# Altium PCB Main.PcbDoc (part 1 of 2)
Units mm, origin at the board's own origin, x right, y up, seen from the top; angles counter-clockwise.
Board outline 244.55 x 130.41 mm, 2 copper layers (Top Layer, Bottom Layer); 159 components, 129 nets, 561 pads, 145 vias.
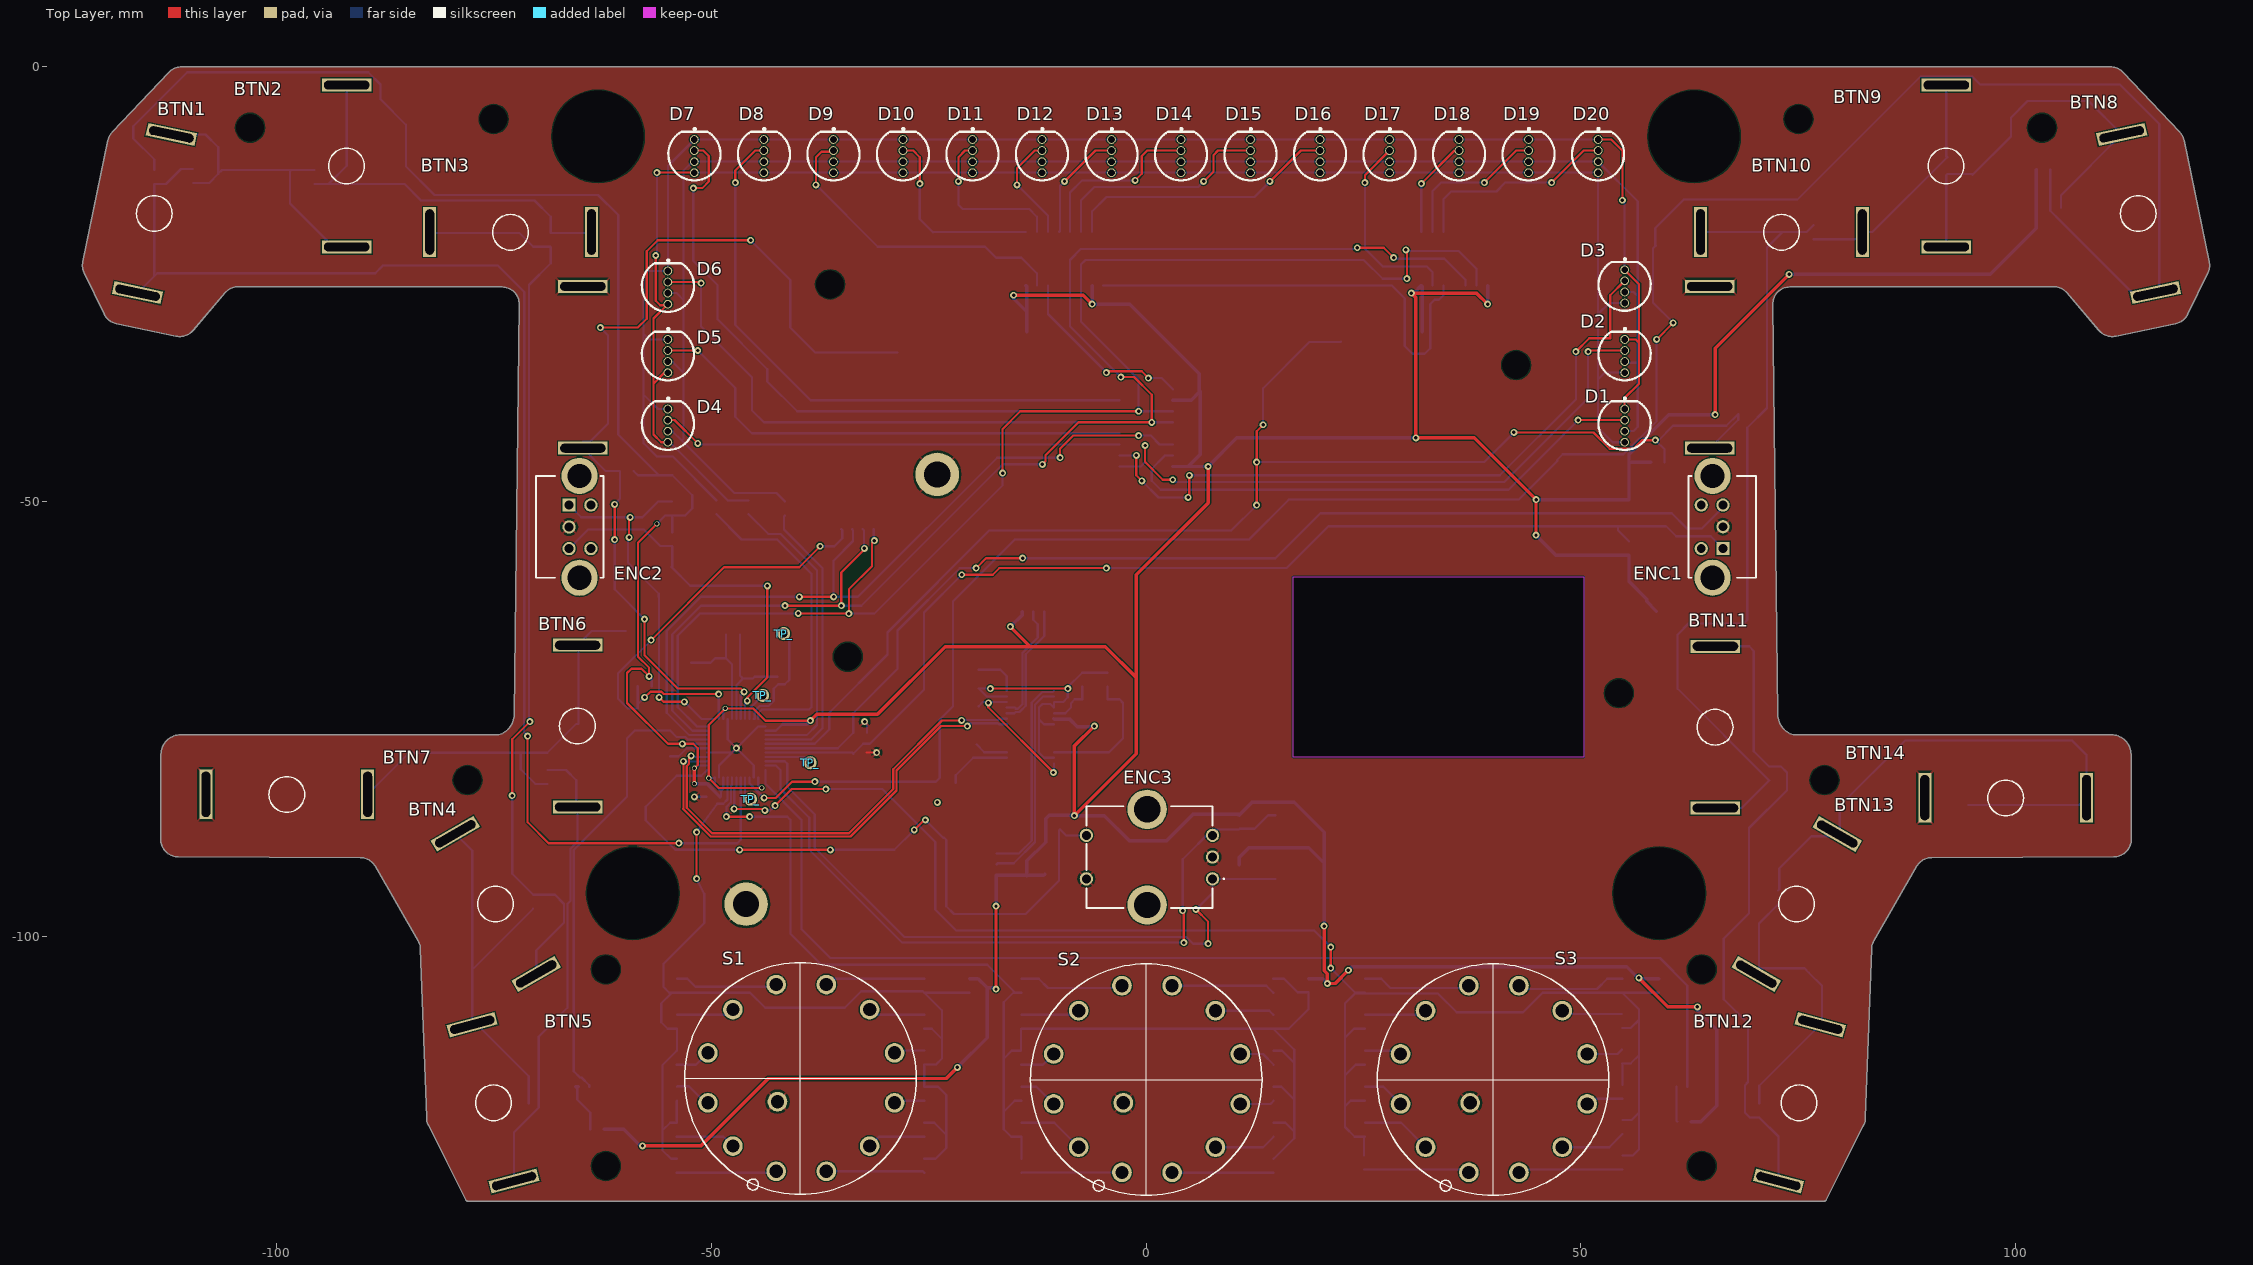
[diagram p0: Top Layer view]
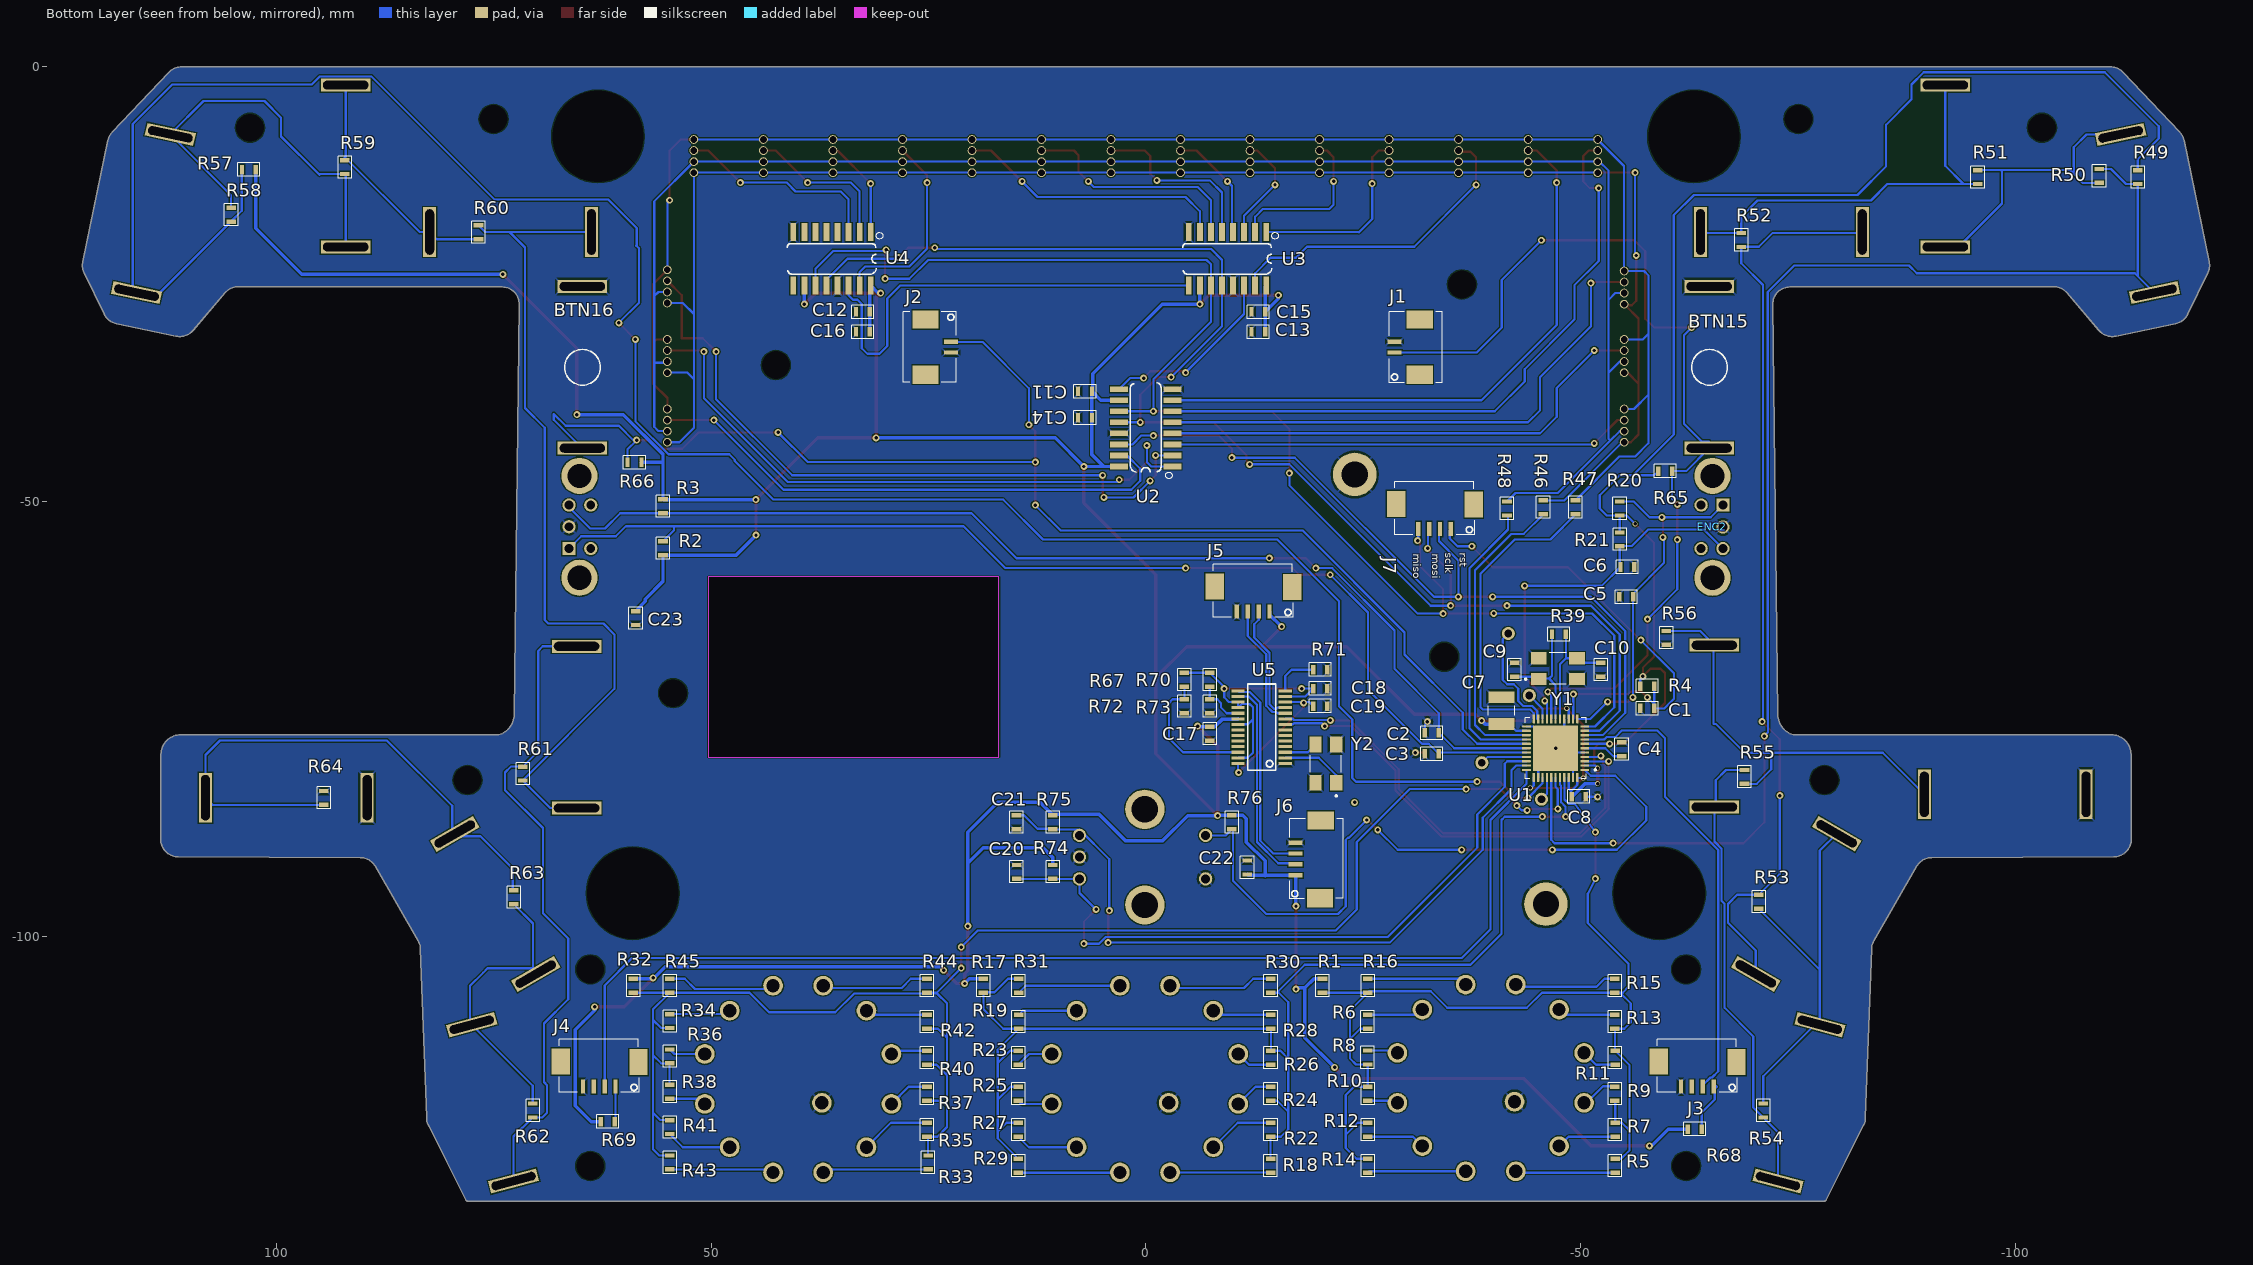
[diagram p1: Bottom Layer view, seen from below]

## Layer stack, top to bottom
Top Solder: solder mask 0.0102, Solder Resist, Dk 3.5
Top Layer: signal copper 0.0356
Dielectric 1: dielectric 0.32, FR-4, Dk 4.8
Bottom Layer: signal copper 0.0356
Bottom Solder: solder mask 0.0102, Solder Resist, Dk 3.5

## Board outline
-88.628,-91.885 ccw(c-90.319,-92.859) -90.312,-90.908 -111.241,-90.828 cw(c-111.233,-88.776) -113.285,-88.768 -113.248,-79.036 cw(c-111,-79.045) -110.996,-76.796 -74.438,-76.796 ccw(c-75.082,-74.444) -72.643,-74.474 ccw(c-75.082,-74.444) -72.643,-74.473 -72.068,-27.285 cw(c-72.017,-27.286) -72.068,-27.285 ccw(c-74.017,-27.261) -72.067,-27.261 ccw(c-74.017,-27.261) -74.014,-25.312 ccw(c-74.017,-27.261) -74.015,-25.312 -104.363,-25.275 ccw(c-104.365,-27.225) -104.363,-25.275 ccw(c-104.363,-25.225) -104.363,-25.275 ccw(c-104.365,-27.225) -105.85,-25.961 cw(c-105.889,-25.929) -105.851,-25.962 cw(c-104.365,-27.225) -105.85,-25.961 -105.851,-25.962 ccw(c-105.889,-25.929) -105.851,-25.962 -109.529,-30.289 cw(c-109.568,-30.256) -109.529,-30.289 cw(c-111.091,-28.961) -111.508,-30.969 ccw(c-111.498,-30.919) -111.508,-30.969 -118.353,-29.548 cw(c-118.343,-29.498) -118.353,-29.548 cw(c-117.937,-27.54) -119.781,-28.437 cw(c-119.735,-28.415) -119.781,-28.436 -119.781,-28.437 -119.781,-28.436 -122.07,-23.728 -122.07,-23.727 cw(c-120.226,-22.831) -122.234,-22.414 -119.337,-8.466 ccw(c-119.287,-8.476) -119.337,-8.466 cw(c-117.329,-8.883) -118.818,-7.473 -118.817,-7.473 -112.35,-0.645 cw(c-112.313,-0.68) -112.35,-0.645 cw(c-110.861,-2.055) -110.854,-0.005 110.847,-0.005 cw(c110.854,-2.055) 112.342,-0.645 118.81,-7.473 cw(c118.774,-7.508) 118.81,-7.473 cw(c117.322,-8.883) 119.33,-8.466 119.329,-8.466 cw(c119.28,-8.476) 119.33,-8.466 122.227,-22.414 cw(c120.219,-22.831) 122.27,-22.831 cw(c120.219,-22.831) 122.063,-23.727 122.063,-23.728 ccw(c122.018,-23.705) 122.063,-23.727 122.063,-23.728 119.774,-28.436 cw(c119.728,-28.415) 119.774,-28.437 cw(c117.93,-27.54) 118.346,-29.548 cw(c118.336,-29.498) 118.346,-29.548 111.501,-30.969 cw(c111.491,-30.919) 111.501,-30.969 cw(c111.084,-28.961) 109.522,-30.289 105.844,-25.962 105.843,-25.962 ccw(c104.358,-27.225) 105.843,-25.961 ccw(c104.358,-27.225) 104.356,-25.275 cw(c104.356,-25.225) 104.356,-25.275 cw(c104.358,-27.225) 104.356,-25.275 74.007,-25.312 ccw(c74.01,-27.261) 74.007,-25.312 ccw(c74.01,-27.261) 72.06,-27.285 ccw(c74.01,-27.261) 72.06,-27.285 cw(c72.01,-27.286) 72.06,-27.286 72.06,-27.285 ccw(c72.01,-27.286) 72.06,-27.285 72.636,-74.473 cw(c72.586,-74.474) 72.636,-74.474 cw(c72.586,-74.474) 72.636,-74.474 ccw(c75.075,-74.444) 74.431,-76.796 110.989,-76.796 cw(c110.993,-79.045) 113.241,-79.036 113.277,-88.768 cw(c113.227,-88.768) 113.277,-88.768 cw(c111.226,-88.776) 113.277,-88.776 cw(c111.226,-88.776) 111.233,-90.828 90.305,-90.908 cw(c90.304,-90.857) 90.304,-90.908 90.305,-90.908 90.304,-90.908 ccw(c90.312,-92.859) 88.621,-91.885 ccw(c88.577,-91.86) 88.621,-91.885 83.663,-100.489 cw(c83.62,-100.464) 83.663,-100.49 cw(c85.293,-101.428) 83.663,-100.489 83.663,-100.49 ccw(c85.293,-101.428) 83.414,-101.359 ccw(c85.293,-101.428) 83.414,-101.359 ccw(c83.363,-101.358) 83.414,-101.359 ccw(c83.363,-101.358) 83.414,-101.358 83.414,-101.359 cw(c83.363,-101.358) 83.414,-101.359 82.703,-120.841 ccw(c82.652,-120.84) 82.703,-120.84 82.703,-120.841 cw(c82.652,-120.84) 82.703,-120.841 cw(c80.545,-120.763) 82.476,-121.728 78.228,-130.226 cw(c78.183,-130.204) 78.228,-130.227 78.228,-130.226 78.228,-130.227 cw(c77.922,-130.074) 77.922,-130.416 cw(c77.922,-130.365) 77.921,-130.416 -77.929,-130.416 ccw(c-77.929,-130.365) -77.928,-130.416 -77.929,-130.416 cw(c-77.929,-130.074) -78.235,-130.227 -78.235,-130.226 ccw(c-78.19,-130.204) -78.235,-130.227 -78.235,-130.226 -82.483,-121.728 cw(c-80.552,-120.763) -82.71,-120.841 cw(c-82.659,-120.84) -82.71,-120.841 -83.421,-101.359 cw(c-83.37,-101.358) -83.421,-101.359 cw(c-83.37,-101.358) -83.421,-101.359 ccw(c-85.3,-101.428) -83.67,-100.49 ccw(c-85.3,-101.428) -83.671,-100.489
cut-out: 16.916,-58.649 50.317,-58.649 50.317,-79.35 16.916,-79.35

## Design rules (kind name [scope] priority, off if disabled: settings)
Clearance [All] p1: gap=0.127
ComponentClearance [All] p1: gap=0.127 collisioncheckmode=3 verticalgap=0.127 showdistances=TRUE
DiffPairsRouting [All] p1: maxlimit=0.254 minlimit=0.127 mostfreqgap=0.127 toplayer_minwidth=0.127 toplayer_maxwidth=25.4 toplayer_prefwidth=0.127 bottomlayer_minwidth=0.127 bottomlayer_maxwidth=25.4 bottomlayer_prefwidth=0.127 maxuncoupledlength=12.7
Height [All] p1: minheight=0 maxheight=1816.048 prefheight=12.7
HoleSize [All] p1: absolutevalues=TRUE maxlimit=6.3 minlimit=0.3 maxpercent=80.000 minpercent=20.000
HoleToHoleClearance [All] p1: gap=0.25 allowstackedmicrovias=FALSE
MinimumAnnularRing [All] p1: minimumring=0.076
MinimumSolderMaskSliver [All] p1: minsoldermaskwidth=0
PlaneClearance [All] p1: clearance=0.127
PlaneConnect PlaneConnectPowerPads [InPadClass('PowerPads')] p1: planeconnectstyle=Direct reliefexpansion=0.508 reliefentries=4 reliefconductorwidth=0.254 reliefairgap=0.254
PlaneConnect [All] p2: planeconnectstyle=Relief reliefexpansion=0.508 reliefentries=4 reliefconductorwidth=0.254 reliefairgap=0.254
PolygonConnect PolygonConnectPowerPads [All vs (InPadClass('PowerPads'))] p1: connectstyle=Direct reliefconductorwidth=0.254 reliefentries=4 polygonreliefangle="90 Angle" airgapwidth=0.254
PolygonConnect [All] p2: connectstyle=Relief reliefconductorwidth=0.254 reliefentries=4 polygonreliefangle="45 Angle" airgapwidth=0.254
RoomDefinition Usb [InComponentClass('Usb')] p1 off: confinementstyle=ConfineIn formatcopy=TRUE lockcomponents=FALSE outline 123.342,-128.88 128.295,-128.88 128.295,-116.434 123.342,-116.434
RoomDefinition Main [InComponentClass('Main')] p2 off: confinementstyle=ConfineIn formatcopy=TRUE lockcomponents=FALSE outline 123.342,-128.88 128.295,-128.88 128.295,-123.292 123.342,-123.292
RoomDefinition Leds [InComponentClass('Leds')] p3 off: confinementstyle=ConfineIn formatcopy=TRUE lockcomponents=FALSE outline -122.276,-186.411 -71.476,-186.411 -71.476,-161.011 -122.276,-161.011
RoomDefinition Buttons [InComponentClass('Buttons')] p4 off: confinementstyle=ConfineIn formatcopy=TRUE lockcomponents=FALSE outline -122.276,-186.411 -71.476,-186.411 -71.476,-161.011 -122.276,-161.011
RoutingVias [All] p1: holewidth=0.3 width=0.6 viastyle="Through Hole" minholewidth=0.3 minwidth=0.6 maxholewidth=0.6 maxwidth=6.6
SilkToSilkClearance [All] p1: silktosilkclearance=0
SilkToSolderMaskClearance [IsPad] p1: minsilkscreentomaskgap=0.127 clearancetoexposedcopper=TRUE
SolderMaskExpansion [All] p1: expansion=0.075
UnpouredPolygon BoardOutlineClearance [All] p2:
Width [All] p1: maxlimit=25.4 minlimit=0.127 preferedwidth=0.127 minimp=50.000000 maximp=50.000000 favimp=50.000000
20 further rules are at their usual default settings.

## Classes and differential pairs
component class Buttons: BTN1 BTN2 BTN3 BTN4 BTN5 BTN6 BTN7 BTN8 BTN9 BTN10 BTN11 BTN12 BTN13 BTN14 BTN15 BTN16 J1 J2 J3 J4 R49 R50 R51 R52 R53 R54 R55 R56 R57 R58 R59 R60 R61 R62 R63 R64 R65 R66 R68 R69
component class Leds: C11 C12 C13 C14 C15 C16 D1 D2 D3 D4 D5 D6 D7 D8 D9 D10 D11 D12 D13 D14 D15 D16 D17 D18 D19 D20 R46 R47 R48 U2 U3 U4
component class Main: C1 C2 C3 C4 C5 C6 C7 C8 C9 C10 C20 C21 ENC1 ENC2 ENC3 J7 R1 R2 R3 R4 R5 R6 R7 R8 R9 R10 R11 R12 R13 R14 R15 R16 R17 R18 R19 R20 R21 R22 R23 R24 R25 R26 R27 R28 R29 R30 R31 R32 R33 R34 R35 R36 R37 R38 R39 R40 R41 R42 R43 R44 R45 R74 R75 R76 S1 S2 S3 TP_ U1 Y1
component class Usb: C17 C18 C19 C22 C23 J5 J6 R67 R70 R71 R72 R73 U5 Y2
differential pair USB1: +USB1_P -USB1_N
differential pair USB2: +USB2_P -USB2_N
differential pair USB3: +USB3_P -USB3_N
differential pair USB4: +USB4_P -USB4_N
differential pair USBH: +USBH_P -USBH_N

## Components (designator, comment, footprint, x,y, rotation, side; value= is the part's Value field where it differs from the comment)
BTN1 "Push Button KAN28 1.5A" "KAN-28 Btn" -114.021,-16.866 r78 top
BTN2 "Push Button KAN28 1.5A" "KAN-28 Btn" -91.923,-11.405 r90 top
BTN3 "Push Button KAN28 1.5A" "KAN-28 Btn" -73.05,-19.025 r180 top
BTN4 "Push Button KAN28 1.5A" "KAN-28 Btn" -74.778,-96.241 r120 top
BTN5 "Push Button KAN28 1.5A" "KAN-28 Btn" -75.032,-119.101 r285 top
BTN6 "Push Button KAN28 1.5A" "KAN-28 Btn" -65.38,-75.794 r90 top
BTN7 "Push Button KAN28 1.5A" "KAN-28 Btn" -98.781,-83.668 r180 top
BTN8 "Push Button KAN28 1.5A" "KAN-28 Btn" 114.071,-16.866 r102 top
BTN9 "Push Button KAN28 1.5A" "KAN-28 Btn" 91.973,-11.405 r90 top
BTN10 "Push Button KAN28 1.5A" "KAN-28 Btn" 73.05,-19.025 r180 top
BTN11 "Push Button KAN28 1.5A" "KAN-28 Btn" 65.43,-75.921 r90 top
BTN12 "Push Button KAN28 1.5A" "KAN-28 Btn" 75.082,-119.101 r75 top
BTN13 "Push Button KAN28 1.5A" "KAN-28 Btn" 74.788,-96.241 r60 top
BTN14 "Push Button KAN28 1.5A" "KAN-28 Btn" 98.831,-84.049 r180 top
BTN15 "Push Button KAN28 1.5A" "KAN-28 Btn" -64.77,-34.544 r270 bottom
BTN16 "Push Button KAN28 1.5A" "KAN-28 Btn" 64.77,-34.544 r270 bottom
C1 "10uF" 0603 -57.633,-73.762 r180 bottom
C2 "100nF" 0603 -32.868,-76.556 r180 bottom
C3 "100nF" 0603 -32.868,-78.969 r180 bottom
C4 "10uF" 0603 -54.712,-78.461 r270 bottom
C5 "100nF" 0603 -55.22,-60.935 r180 bottom
C6 "100nF" 0603 -55.347,-57.506 r0 bottom
C7 "100uF" CAPPC3528X210N -40.869,-74.016 r90 bottom
C8 "100nF" 0603 -49.759,-83.922 r0 bottom
C9 "22pF" 0603 -42.393,-69.317 r270 bottom
C10 "22pF" 0603 -52.299,-69.317 r90 bottom
C11 "10uF" 0603 7.01,-37.313 r180 bottom
C12 "10uF" 0603 32.537,-28.169 r180 bottom
C13 "10uF" 0603 -12.929,-30.455 r180 bottom
C14 "100nF" 0603 7.01,-40.323 r180 bottom
C15 "100nF" 0603 -12.929,-28.169 r180 bottom
C16 "100nF" 0603 32.537,-30.455 r180 bottom
C17 "10uF" 0603 -7.341,-76.683 r90 bottom
C18 "10uF" 0603 -20.041,-71.476 r0 bottom
C19 "10uF" 0603 -20.041,-73.508 r0 bottom
C20 "100nF" 0603 14.846,-92.558 r270 bottom
C21 "100nF" 0603 14.884,-86.843 r90 bottom
C22 "100nF" 0603 -11.659,-92.05 r270 bottom
C23 "10uF" 0603 58.674,-63.373 r90 bottom
D1 "RGB LED CLEAR" "RADIAL 4 LEADS" 55.016,-41.25 r0 top
D2 "RGB LED CLEAR" "RADIAL 4 LEADS" 55.016,-33.249 r0 top
D3 "RGB LED CLEAR" "RADIAL 4 LEADS" 55.016,-25.248 r0 top
D4 "RGB LED CLEAR" "RADIAL 4 LEADS" -54.966,-41.25 r0 top
D5 "RGB LED CLEAR" "RADIAL 4 LEADS" -54.966,-33.249 r0 top
D6 "RGB LED CLEAR" "RADIAL 4 LEADS" -54.966,-25.375 r0 top
D7 "RGB LED CLEAR" "RADIAL 4 LEADS" -51.918,-10.262 r0 top
D8 "RGB LED CLEAR" "RADIAL 4 LEADS" -43.927,-10.262 r0 top
D9 "RGB LED CLEAR" "RADIAL 4 LEADS" -35.936,-10.262 r0 top
D10 "RGB LED CLEAR" "RADIAL 4 LEADS" -27.945,-10.262 r0 top
D11 "RGB LED CLEAR" "RADIAL 4 LEADS" -19.954,-10.262 r0 top
D12 "RGB LED CLEAR" "RADIAL 4 LEADS" -11.962,-10.262 r0 top
D13 "RGB LED CLEAR" "RADIAL 4 LEADS" -3.971,-10.262 r0 top
D14 "RGB LED CLEAR" "RADIAL 4 LEADS" 4.02,-10.262 r0 top
D15 "RGB LED CLEAR" "RADIAL 4 LEADS" 12.011,-10.262 r0 top
D16 "RGB LED CLEAR" "RADIAL 4 LEADS" 20.003,-10.262 r0 top
D17 "RGB LED CLEAR" "RADIAL 4 LEADS" 27.994,-10.262 r0 top
D18 "RGB LED CLEAR" "RADIAL 4 LEADS" 35.985,-10.262 r0 top
D19 "RGB LED CLEAR" "RADIAL 4 LEADS" 43.976,-10.262 r0 top
D20 "RGB LED CLEAR" "RADIAL 4 LEADS" 51.968,-10.262 r0 top
ENC1 "Horz Encoder" EC11B15242AF#1 66.326,-55.388 r0 top
ENC2 "Horz Encoder" EC11B15242AF#2 -66.326,-50.386 r0 bottom
ENC3 "EC1110120201" EC1110120201 7.645,-93.357 r90 top
J1 "JST 2 PIN 1.25mm SMD" "JST 2 Pin 1.25mm" -28,-28.122 r270 bottom
J2 "JST 2 PIN 1.25mm SMD" "JST 2 Pin 1.25mm" 21.844,-36.322 r90 bottom
J3 "JST 4 PIN 1.25mm SMD_1" "JST 4 Pin 1.25mm" -59.284,-117.831 r180 bottom
J4 "JST 4 PIN 1.25mm SMD_1" "JST 4 Pin 1.25mm" 66.954,-117.831 r180 bottom
J5 "JST 4 PIN 1.25mm SMD_1" "JST 4 Pin 1.25mm" -8.23,-63.221 r180 bottom
J6 "JST 4 PIN 1.25mm SMD_1" "JST 4 Pin 1.25mm" -16.612,-86.97 r270 bottom
J7 "JST 4 PIN 1.25mm SMD_1" "JST 4 Pin 1.25mm" -29.083,-53.721 r180 bottom
R1 "1k" 0603 -20.295,-105.639 r90 bottom
R2 "RESISTOR GENERIC" 0603 55.524,-55.347 r270 bottom
R3 "RESISTOR GENERIC" 0603 55.524,-50.521 r90 bottom
R4 "RESISTOR GENERIC" 0603 -57.633,-71.222 r0 bottom
R5 "RESISTOR GENERIC" 0603 -53.95,-126.34 r270 bottom
R6 "RESISTOR GENERIC" 0603 -25.502,-109.779 r270 bottom
R7 "RESISTOR GENERIC" 0603 -53.95,-122.2 r270 bottom
R8 "RESISTOR GENERIC" 0603 -25.502,-113.894 r270 bottom
R9 "RESISTOR GENERIC" 0603 -53.912,-118.06 r90 bottom
R10 "RESISTOR GENERIC" 0603 -25.502,-118.06 r90 bottom
R11 "RESISTOR GENERIC" 0603 -53.95,-113.919 r270 bottom
R12 "RESISTOR GENERIC" 0603 -25.502,-122.2 r90 bottom
R13 "RESISTOR GENERIC" 0603 -53.912,-109.779 r90 bottom
R14 "RESISTOR GENERIC" 0603 -25.502,-126.34 r90 bottom
R15 "RESISTOR GENERIC" 0603 -53.912,-105.639 r90 bottom
R16 "RESISTOR GENERIC" 0603 -25.502,-105.639 r90 bottom
R17 "RESISTOR GENERIC" 0603 18.694,-105.639 r90 bottom
R18 "RESISTOR GENERIC" 0603 -14.326,-126.34 r270 bottom
R19 "RESISTOR GENERIC" 0603 14.63,-109.779 r270 bottom
R20 "RESISTOR GENERIC" 0603 -54.487,-50.775 r270 bottom